# Altium PCB MULTIMETER.PcbDoc
Units mm, origin at the board's own origin, x right, y up, seen from the top; angles counter-clockwise.
Board outline 65 x 65 mm, 2 copper layers (Top Layer, Bottom Layer); 47 components, 56 nets, 211 pads, 24 vias.
Unrouted connection lines stored in the file: 26.
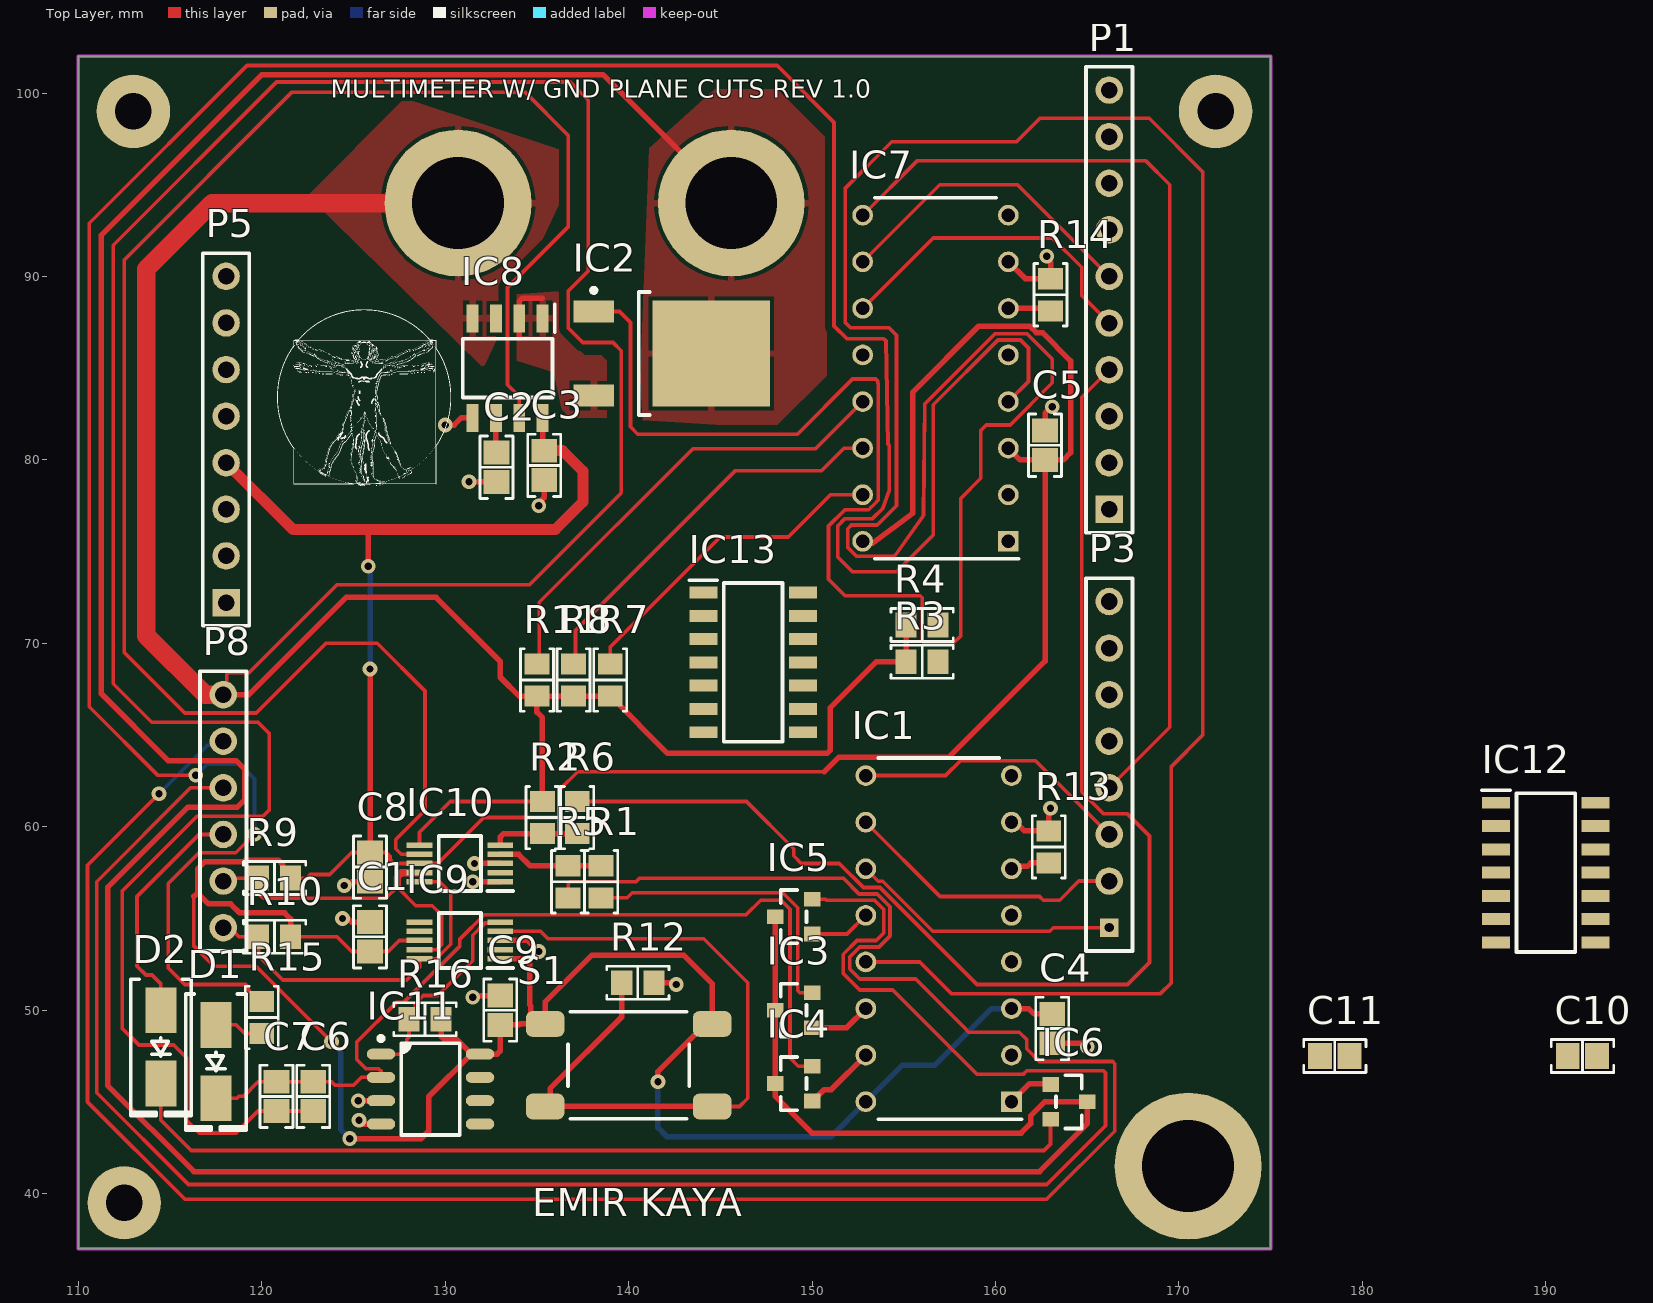
[diagram p0: Top Layer view]
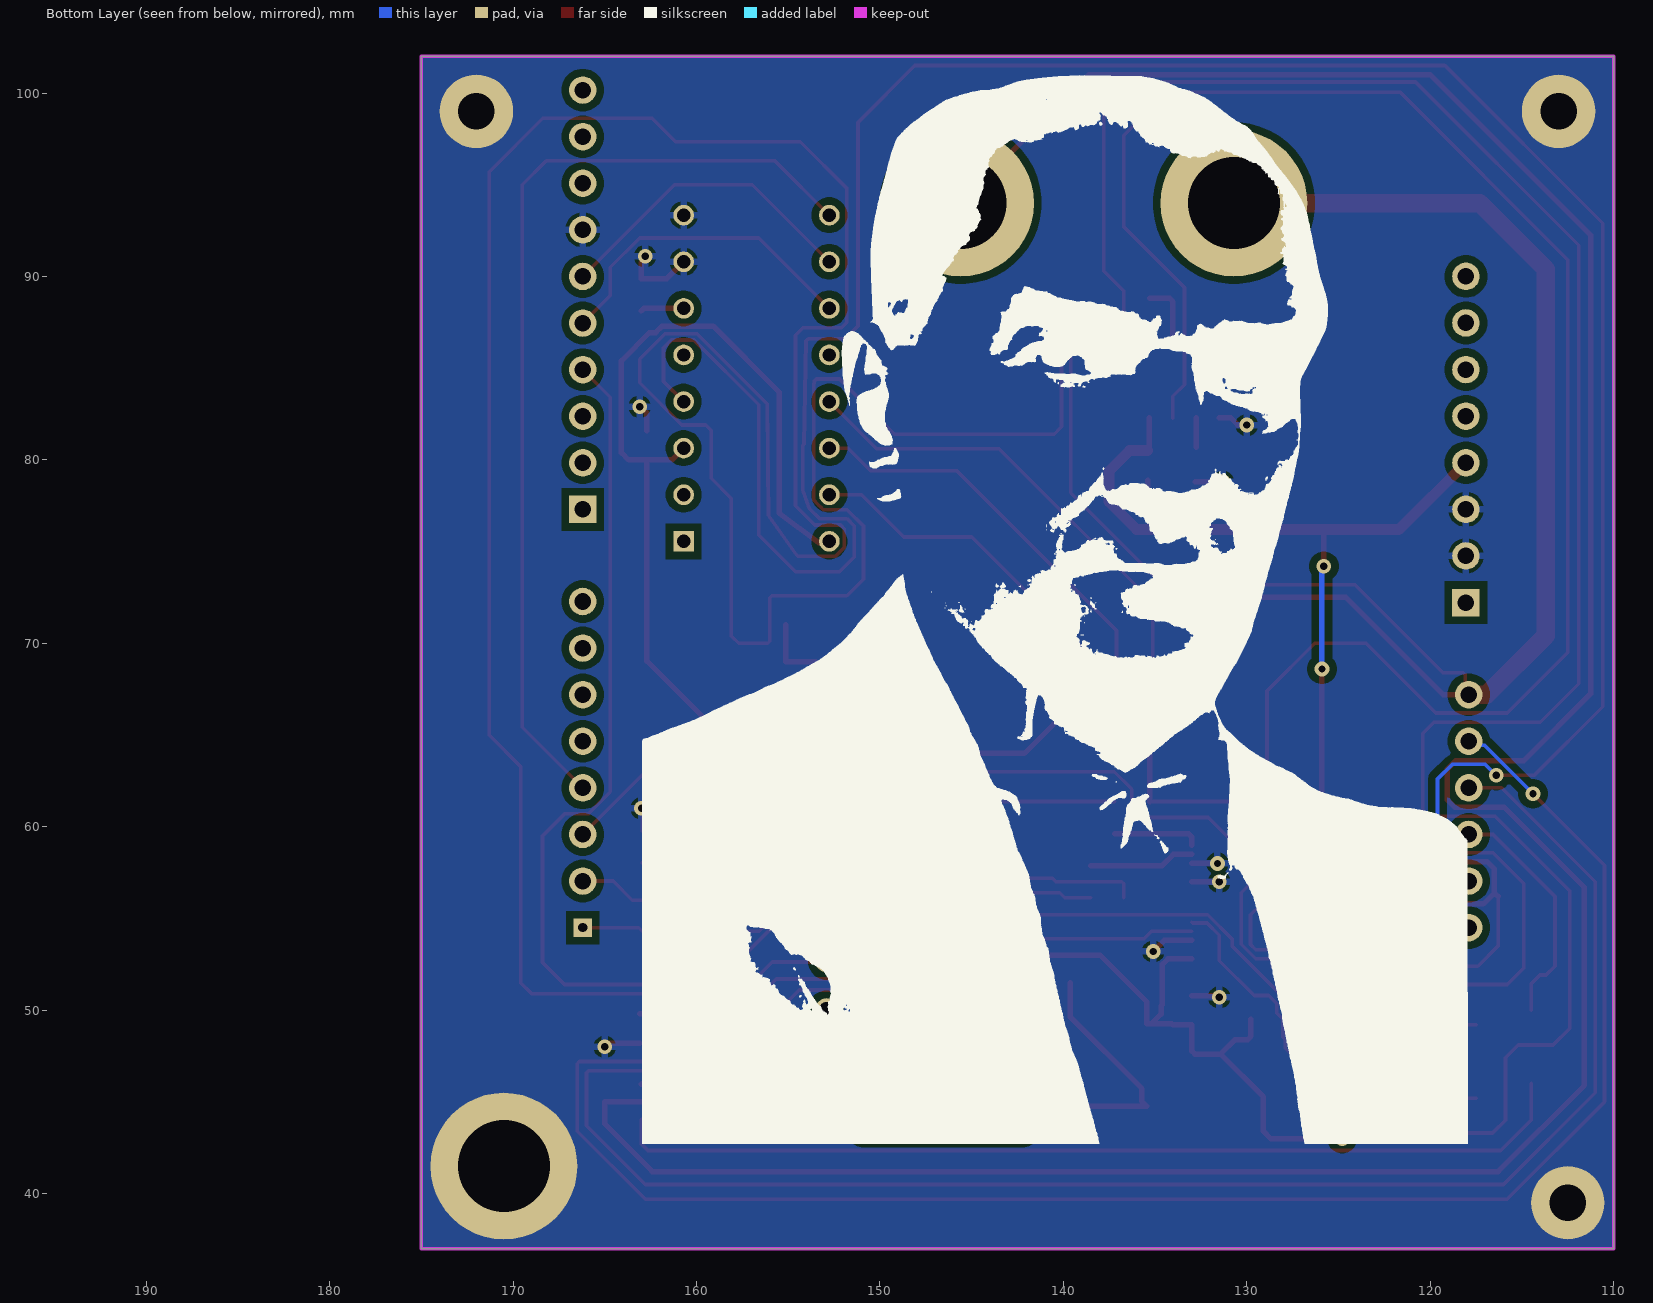
[diagram p1: Bottom Layer view, seen from below]
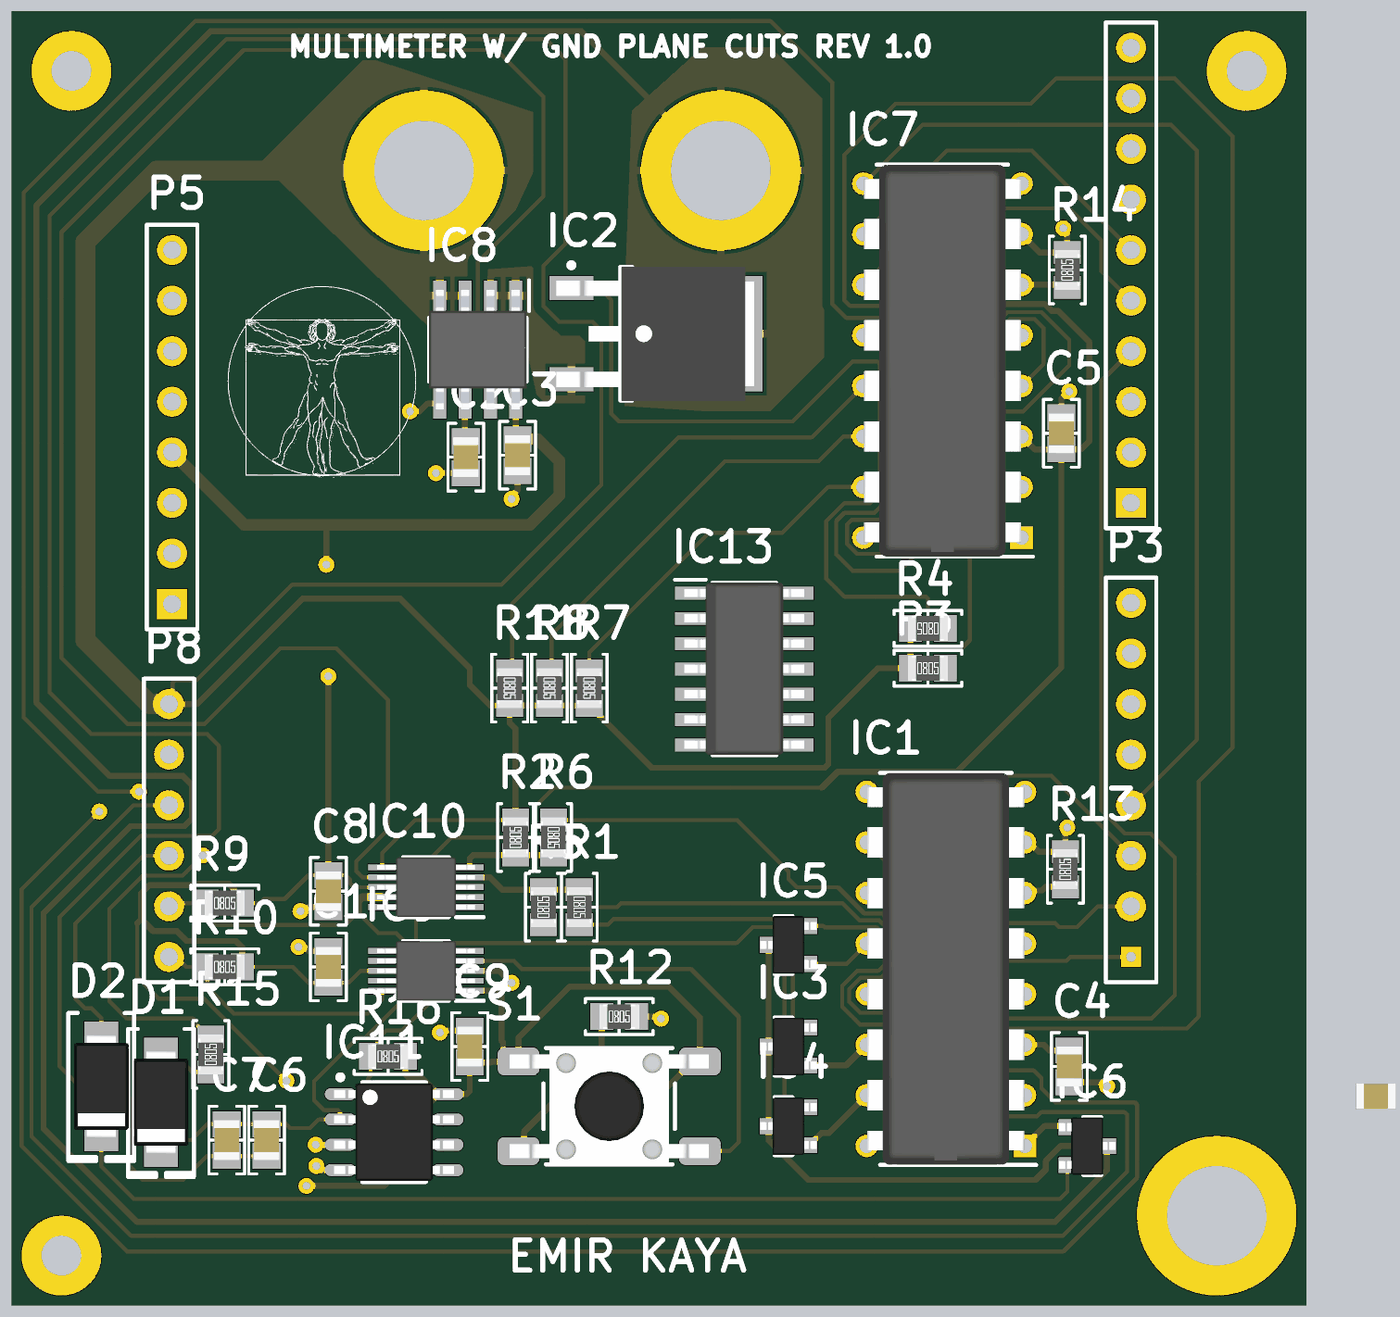
[diagram p2: 3D render of the assembled board from above, using the file's embedded part models]

## Layer stack, top to bottom
Top Solder: solder mask 0.0102, Solder Resist, Dk 3.5
Top Layer: signal copper 0.0356
Dielectric 1: dielectric 0.32, FR-4, Dk 4.8
Bottom Layer: signal copper 0.0356
Bottom Solder: solder mask 0.0102, Solder Resist, Dk 3.5

## Board outline
110,37 175,37 175,102 110,102

## Design rules (kind name [scope] priority, off if disabled: settings)
Clearance Clearance_1 [InNamedPolygon('GNDP')] p1: gap=0.4 ignorepadtopadclearanceinfootprint=FALSE
Clearance [All] p2: gap=0.15 ignorepadtopadclearanceinfootprint=FALSE
ComponentClearance [All] p1: gap=0.127 collisioncheckmode=3 verticalgap=0 showdistances=FALSE
DiffPairsRouting [All] p1: maxlimit=0.15 minlimit=0.15 mostfreqgap=0.15 toplayer_minwidth=0.2 toplayer_maxwidth=0.2 toplayer_prefwidth=0.2 bottomlayer_minwidth=0.2 bottomlayer_maxwidth=0.2 bottomlayer_prefwidth=0.2 maxuncoupledlength=12.7
MinimumSolderMaskSliver [All] p1: minsoldermaskwidth=0.127
NetAntennae [All] p1: netantennaetolerance=0.254
PlaneClearance [All] p1: clearance=0.762
PlaneConnect [All] p1: planeconnectstyle=Relief reliefexpansion=0.381 reliefentries=4 reliefconductorwidth=0.381 reliefairgap=0.254
PolygonConnect [All] p1: connectstyle=Relief reliefconductorwidth=0.381 reliefentries=4 polygonreliefangle="90 Angle" airgapwidth=0.2
RoutingVias [All] p1: holewidth=0.3 width=0.7 viastyle="Through Hole" minholewidth=0.2 minwidth=0.6 maxholewidth=0.4 maxwidth=0.8
SMDEntry [All] p1: side=TRUE corner=TRUE anyangle=FALSE
SMDToCorner [All] p1: distance=118110
SMDToPlane [All] p1: distance=118110
SilkToSilkClearance [All] p1 off: silktosilkclearance=0.254
SilkToSolderMaskClearance [IsPad] p1 off: minsilkscreentomaskgap=0.254 clearancetoexposedcopper=TRUE
SolderMaskExpansion [All] p1: expansion=0.05 istentingtop=FALSE
Width [All] p1: maxlimit=1 minlimit=0.2 preferedwidth=0.2 minimp=50.000000 maximp=50.000000 favimp=50.000000
22 further rules are at their usual default settings.

## Components (designator, comment, footprint, x,y, rotation, side; value= is the part's Value field where it differs from the comment)
C1 "0.1 µF" "CAP 0805_2012" 125.9,54 r270 top
C2 "1000 pF" "CAP 0805_2012" 132.8,79.6 r90 top
C3 "0.1 µF" "CAP 0805_2012" 135.4,79.7 r90 top
C4 "0.1 µF" "CAP 0805_2012" 163.1,49 r90 top
C5 "0.1 µF" "CAP 0805_2012" 162.7,80.8 r270 top
C6 "1µF" "CAP 0805_2012" 122.8,45.3 r90 top
C7 "1µF" "CAP 0805_2012" 120.8,45.3 r90 top
C8 "0.1 µF" "CAP 0805_2012" 125.9,57.8 r90 top
C9 "0.1 µF" "CAP 0805_2012" 133,50 r270 top
C10 "0.1 µF" "CAP 0805_2012" 192,47.5 r0 top
C11 "0.1 µF" "CAP 0805_2012" 178.5,47.5 r0 top
D1 "S1M-ONS" "DO214AC SMA" 117.5,47.2 r270 top
D2 "S1M-ONS" "DO214AC SMA" 114.5,48 r270 top
IC1 "CD74HC4051E" DIP794W53P254L1930H508Q16N 156.9,53.9 r180 top
IC2 "DMPH6050SK3-13" "INFINEON PG-TO 252 GDS FET" 141.3,85.8 r0 top
IC3 "DMN6075S-7" "DIODES SOT-23-3" 149,50 r180 top
IC4 "DMN6075S-7" "DIODES SOT-23-3" 149,46 r180 top
IC5 "DMN6075S-7" "DIODES SOT-23-3" 149,55.1 r180 top
IC6 "DMN6075S-7" "DIODES SOT-23-3" 164,45 r0 top
IC7 "CD74HC4051E" DIP794W53P254L1930H508Q16N 156.73,84.45 r180 top
IC8 "ACS712ELCTR-05B-T" SOIC127P600X175-8N 133.4,85 r270 top
IC9 "ADS1015IDGST" SOP50P490X110-10N 130.8,53.8 r180 top
IC10 "ADS1015IDGST" SOP50P490X110-10N 130.8,58 r180 top
IC11 "LM2904DRG3" "TI SOIC-8 D" 129.2,45.7 r0 top
IC12 "CD74HCT125M" SOIC127P600X175-14N 190,57.5 r0 top
IC13 "CD74HCT125M" SOIC127P600X175-14N 146.788,68.96 r0 top
P1 "Arduino 10 top" HDR1X10 166.2,77.3 r90 top
P3 "Ard top 8" HDR1X8#1 166.2,54.5 r90 top
P5 "Ard bot 8" HDR1X8#2 118.053,72.224 r90 top
P8 "ard bot 6" HDR1X6 117.9,67.2 r270 top
R1 "10 kOhms" "RES 0805_2012" 138.5,57 r270 top
R2 "10 kOhms" "RES 0805_2012" 135.3,60.5 r90 top
R3 "220 Ohms" "RES 0805_2012" 156,69 r0 top
R4 "10 kOhms" "RES 0805_2012" 156,71 r180 top
R5 "1 kOhms" "RES 0805_2012" 136.7,57 r90 top
R6 "1 kOhms" "RES 0805_2012" 137.2,60.5 r270 top
R7 "2 kOhms" "RES 0805_2012" 139,68 r270 top
R8 "20 kOhms" "RES 0805_2012" 137,68 r270 top
R9 "10 kOhms" "RES 0805_2012" 120.7,57.2 r0 top
R10 "10 kOhms" "RES 0805_2012" 120.7,54 r0 top
R11 "470 kOhms" "RES 0805_2012" 135,68 r270 top
R12 "10 kOhms" "RES 0805_2012" 140.5,51.5 r0 top
R13 "10 kOhms" "RES 0805_2012" 162.9,58.9 r90 top
R14 "10 kOhms" "RES 0805_2012" 163,89 r90 top
R15 "120 Ohms" "RES 0805_2012" 120,49.6 r90 top
R16 "330 Ohms" "RES 0805_2012" 128.9,49.5 r0 top
S1 "FSM6JSMAASTR" "TE FSM6JSMA" 140,47 r90 top

## Footprints (in the part's own frame and the unit in brackets; to place one, negate y for a bottom-side part, rotate by r counter-clockwise, add the part's x,y. Pads: shape width x height; smd on the part's side, far side on the other; paste and mask are expansions set on the pad)
"CAP 0805_2012" [mm] "Chip Capacitor, 2-Leads, Body 2.00x1.20mm, IPC Medium Density"
  rect 1.3x1.4 smd: 1(-0.8,0) 2(0.8,0)
  silkscreen extent -1.7,-0.9 1.7,0.9, body extent -1,-0.64 1,0.64, height 1.26
"DIODES SOT-23-3" [mm] "SOT23, 3-Leads, Body 2.90x2.40mm, Pitch 0.95mm, IPC Medium Density"
  rect 0.9x0.8 smd: 1(-1,0.95) 2(-1,-0.95) 3(1,0)
  silkscreen extent -0.7,-1.45 0.7,1.45, body extent -1.41,-1.45 1.41,1.45, height 1.5
DIP794W53P254L1930H508Q16N [mm]
  rect 1.13x1.13 hole 0.73: 1(-3.97,8.89)
  round 1.13 hole 0.73: 2(-3.97,6.35) 3(-3.97,3.81) 4(-3.97,1.27) 5(-3.97,-1.27) 6(-3.97,-3.81) 7(-3.97,-6.35) 8(-3.97,-8.89) 9(3.97,-8.89) 10(3.97,-6.35) 11(3.97,-3.81) 12(3.97,-1.27) 13(3.97,1.27) 14(3.97,3.81) 15(3.97,6.35) 16(3.97,8.89)
  silkscreen extent -4.53,-9.84 3.3,9.84, body extent -3.94,-9.84 3.94,9.84, height 5.27
"DO214AC SMA" [mm] "Molded Diode, 2-Leads, Body 4.30x2.60mm, IPC Medium Density"
  rect 2.5x1.7 smd: 1(-2,0) 2(2,0)
  silkscreen extent -3.68,-1.65 3.75,1.65, body extent -2.6,-1.37 2.6,1.37, height 2.4
HDR1X6 [mm] "Connector; Header; 6 Position"
  round 1.5 hole 0.9: 1(0,0) 2(2.54,0) 3(5.08,0) 4(7.62,0) 5(10.16,0) 6(12.7,0)
  silkscreen extent -1.27,-1.27 13.97,1.27
HDR1X8#1 [mm] "Connector; Header; 8 Position"
  rect 1x1 hole 0.5: 1(0,0)
  round 1.5 hole 0.9: 2(2.54,0) 3(5.08,0) 4(7.62,0) 5(10.16,0) 6(12.7,0) 7(15.24,0) 8(17.78,0)
  silkscreen extent -1.27,-1.27 19.05,1.27
HDR1X8#2 [mm] "Connector; Header; 8 Position"
  rect 1.5x1.5 hole 0.9: 1(0,0)
  round 1.5 hole 0.9: 2(2.54,0) 3(5.08,0) 4(7.62,0) 5(10.16,0) 6(12.7,0) 7(15.24,0) 8(17.78,0)
  silkscreen extent -1.27,-1.27 19.05,1.27
HDR1X10 [mm] "Connector; Header; 10 Position"
  rect 1.5x1.5 hole 0.9: 1(0,0)
  round 1.5 hole 0.9: 2(2.54,0) 3(5.08,0) 4(7.62,0) 5(10.16,0) 6(12.7,0) 7(15.24,0) 8(17.78,0) 9(20.32,0) 10(22.86,0)
  silkscreen extent -1.27,-1.27 24.13,1.27
"INFINEON PG-TO 252 GDS FET" [mm] "DPAK, Body 9.94x6.56mm"
  rect 6.4x5.8 smd: D(3.2,0)
  rect 2.2x1.2 smd: G(-3.2,2.29) S(-3.2,-2.29)
  silkscreen extent -3.32,-3.35 -0.15,3.56, body extent -3.96,-3.37 5.98,3.37, height 2.41
"RES 0805_2012" [mm] "Chip Resistor, 2-Leads, Body 2.00x1.25mm, IPC Medium Density"
  rect 1.15x1.35 smd: 1(-0.875,0) 2(0.875,0)
  silkscreen extent -1.7,-0.9 1.7,0.9, body extent -1,-0.62 1,0.63, height 0.6
SOIC127P600X175-8N [mm]
  rect 1.525x0.65 smd: 1(-2.712,1.905) 2(-2.712,0.635) 3(-2.712,-0.635) 4(-2.712,-1.905) 5(2.712,-1.905) 6(2.712,-0.635) 7(2.712,0.635) 8(2.712,1.905)
  silkscreen extent -3.47,-2.45 1.6,2.58, body extent -3,-2.45 3,2.45, height 1.75
SOIC127P600X175-14N [mm]
  rect 1.525x0.65 smd: 1(-2.712,3.81) 2(-2.712,2.54) 3(-2.712,1.27) 4(-2.712,0) 5(-2.712,-1.27) 6(-2.712,-2.54) 7(-2.712,-3.81) 8(2.712,-3.81) 9(2.712,-2.54) 10(2.712,-1.27) 11(2.712,0) 12(2.712,1.27) 13(2.712,2.54) 14(2.712,3.81)
  silkscreen extent -3.47,-4.33 1.6,4.48, body extent -3.01,-4.32 3.01,4.34, height 1.75
SOP50P490X110-10N [mm]
  rect 1.4x0.3 smd: 1(-2.2,1) 2(-2.2,0.5) 3(-2.2,0) 4(-2.2,-0.5) 5(-2.2,-1) 6(2.2,-1) 7(2.2,-0.5) 8(2.2,0) 9(2.2,0.5) 10(2.2,1)
  silkscreen extent -2.9,-1.5 1.15,1.5, body extent -2.46,-1.5 2.46,1.5, height 1.1
"TE FSM6JSMA" [mm]
  rrect50% 1.4x2.1 smd: 1(2.25,4.55) 2(2.25,-4.55) 3(-2.25,4.55) 4(-2.25,-4.55)
  silkscreen extent -2.92,-3.3 2.92,3.3, body extent -3,-5 3,5, height 7.11
"TI SOIC-8 D" [mm] "SOP, 8-Leads, Body 4.90x3.90mm, Pitch 1.27mm, IPC Medium Density"
  oval 1.55x0.6 smd: 1(-2.7,1.905) 2(-2.7,0.635) 3(-2.7,-0.635) 4(-2.7,-1.905) 5(2.7,-1.905) 6(2.7,-0.635) 7(2.7,0.635) 8(2.7,1.905)
  silkscreen extent -2.82,-2.5 1.6,2.88, body extent -3.01,-2.45 3.01,2.45, height 1.5

## Part data
C1 C3 C4 C5 C8 C9 C10 C11: library part CC0805MRX7R9BB104, "CAP CER 0.1UF 50V X7R 0805", Device Package="0805 (2012 Metric)", manufacturer=Yageo, Operating Temperature="-55°C ~ 125°C", Supplier Part Number 1=311-4351-1-ND, Temperature Coefficient=X7R, Tolerance=±20%, Voltage - Rated=50V, Applications="General Purpose", Capacitance="0.1 µF", componentlink1description=Datasheet, componentlink1url=https://www.yageo.com/upload/media/product/productsearch/datasheet/mlcc/UPY-GPHC_X7R_6.3V-to-50V_18.pdf, componentlink2description="DigiKey Link", componentlink2url=https://www.digikey.com/en/products/detail/yageo/CC0805MRX7R9BB104/5884281, lastupdated="09/02/2024 20:16:09", Lifecycle Status=Active, Minimum Order=1, Mounting Type="Surface Mount, MLCC", Package / Case="0805 (2012 Metric)", packaging=TapeAndReel, Part Number=CC0805MRX7R9BB104, Part Status=Active, partid=2475, price=0.01, series=CC, Size / Dimension="0.079\" L x 0.049\" W (2.00mm x 1.25mm)", Supplier 1=DigiKey, Thickness (Max)="0.037\" (0.95mm)"
C2: library part KGM21NR72D102KT, "CAP CER 1000PF 200V X7R 0805", Device Package="0805 (2012 Metric)", manufacturer="KYOCERA AVX", Operating Temperature="-55°C ~ 125°C", Supplier Part Number 1=478-KGM21NR72D102KTCT-ND, Temperature Coefficient=X7R, Tolerance=±10%, Voltage - Rated=200V, Applications="General Purpose", Capacitance="1000 pF", componentlink1description=Datasheet, componentlink1url=https://datasheets.kyocera-avx.com/X7RDielectric.pdf, componentlink2description="DigiKey Link", componentlink2url=https://www.digikey.com/en/products/detail/kyocera-avx/KGM21NR72D102KT/563449, lastupdated="09/02/2024 20:14:03", Lifecycle Status=Active, Minimum Order=1, Mounting Type="Surface Mount, MLCC", Package / Case="0805 (2012 Metric)", packaging=TapeAndReel, Part Number=KGM21NR72D102KT, Part Status=Active, partid=53503, price=0.02, series="KGM - X7R", Size / Dimension="0.079\" L x 0.049\" W (2.01mm x 1.25mm)", Supplier 1=DigiKey, Thickness (Max)="0.039\" (1.00mm)"
C6 C7: library part MM05ZC105KCZ2A, "CAP CER 1UF 10V X7R 0805", Device Package="0805 (2012 Metric)", manufacturer="AVX Corporation", Operating Temperature="-55°C ~ 125°C", Supplier Part Number 1=478-10611-1-ND, Temperature Coefficient=X7R, Tolerance=±10%, Voltage - Rated=10V, Applications="Medical, Non-Critical", Capacitance=1µF, componentlink1description=Datasheet, componentlink1url=http://datasheets.avx.com/AVX-MM.pdf, componentlink2description="DigiKey Link", componentlink2url=http://digikey.com/product-detail/en/avx-corporation/MM05ZC105KCZ2A/478-10611-1-ND/7344872, lastupdated="02/09/2020 01:04:42", Lifecycle Status=Active, Minimum Order=1, Mounting Type="Surface Mount, MLCC", Package / Case="0805 (2012 Metric)", packaging=TapeAndReel, Part Number=MM05ZC105KCZ2A, Part Status=Active, partid=2439, price=0.50, series=MM, Size / Dimension="0.079\" L x 0.049\" W (2.01mm x 1.25mm)", Supplier 1=DigiKey, Thickness (Max)="0.029\" (0.74mm)"
D1 D2: library part RS1A, "DIODE GEN PURP 50V 1A SMA", Capacitance @ Vr, F="10pF @ 4V, 1MHz", Current - Average Rectified (Io)=1A, Current - Reverse Leakage @ Vr="5µA @ 50V", manufacturer="ON Semiconductor", Operating Temperature - Junction="-55°C ~ 150°C", Package / Case="DO-214AC, SMA", Supplier Device Package="SMA (DO-214AC)", Supplier Part Number 1=RS1ACT-ND, Voltage - DC Reverse (Vr) (Max)=50V, Voltage - Forward (Vf) (Max) @ If="1.3V @ 1A", componentlink1description=Datasheet, componentlink1url=https://www.onsemi.com/pub/Collateral/RS1M-D.PDF, componentlink2description="DigiKey Link", componentlink2url=http://digikey.com/product-detail/en/on-semiconductor/RS1A/RS1ACT-ND/3504478, Diode Type=Standard, lastupdated="03/06/2024 19:54:38", Lifecycle Status=Active, Minimum Order=1, Mounting Type="Surface Mount", packaging=TapeAndReel, Part Number=RS1A, Part Status=Active, partid=585, price=0.08, Reverse Recovery Time (trr)=150ns, series=-, Speed="Fast Recovery =< 500ns, > 200mA (Io)", Supplier 1=DigiKey
IC1 IC7: "Integrated Circuit", Manufacturer_Name="Texas Instruments", Mouser Part Number=595-CD74HC4051E, Arrow Part Number=CD74HC4051E, Arrow Price/Stock=https://www.arrow.com/en/products/cd74hc4051e/texas-instruments?region=europe, Datasheet Link=http://www.ti.com/lit/ds/symlink/cd74hc4051.pdf, Height=5.08mm, Manufacturer_Part_Number=CD74HC4051E, Mouser Price/Stock=https://www.mouser.co.uk/ProductDetail/Texas-Instruments/CD74HC4051E?qs=LfG3tU9ud8CbsH7xUrF9XA%3D%3D
IC2: library part IPD80R2K8CEATMA1, "MOSFET N-CH 800V 1.9A TO252-3", Current - Continuous Drain (Id) @ 25°C="1.9A (Tc)", Drain to Source Voltage (Vdss)="800 V", Drive Voltage (Max Rds On,  Min Rds On)=10V, Input Capacitance (Ciss) (Max) @ Vds="290 pF @ 100 V", manufacturer="Infineon Technologies", Operating Temperature="-55°C ~ 150°C (TJ)", Package / Case="TO-252-3, DPak (2 Leads + Tab), SC-63", Power Dissipation (Max)="42W (Tc)", Supplier Device Package=PG-TO252-3, Supplier Part Number 1=IPD80R2K8CEATMA1CT-ND, componentlink1description=Datasheet, componentlink1url=https://www.infineon.com/dgdl/Infineon-IPX80R2K8CE-DS-v02_01-en.pdf?fileId=db3a304340155f3d01402f5e5f1f274f, componentlink2description="DigiKey Link", componentlink2url=https://www.digikey.com/en/products/detail/infineon-technologies/IPD80R2K8CEATMA1/5960265, FET Type=N-Channel, Gate Charge (Qg) (Max) @ Vgs="12 nC @ 10 V", lastupdated="03/06/2024 20:26:42", Lifecycle Status=Active, Minimum Order=1, Mounting Type="Surface Mount", packaging=TapeAndReel, Part Number=IPD80R2K8CEATMA1, Part Status=Active, price=0.39, Rds On (Max) @ Id, Vgs="2.8Ohm @ 1.1A, 10V", series="CoolMOS™ CE", Supplier 1=DigiKey, Technology="MOSFET (Metal Oxide)", Vgs (Max)=±20V, Vgs(th) (Max) @ Id="3.9V @ 120µA"
IC3 IC4 IC5 IC6: "MOSFET N-CH 60V 2A SOT23", Current - Continuous Drain (Id) @ 25°C="2A (Ta)", Drain to Source Voltage (Vdss)="60 V", Drive Voltage (Max Rds On,  Min Rds On)="4.5V, 10V", Input Capacitance (Ciss) (Max) @ Vds="606 pF @ 20 V", manufacturer="Diodes Incorporated", Operating Temperature="-55°C ~ 150°C (TJ)", Package / Case="TO-236-3, SC-59, SOT-23-3", Power Dissipation (Max)="800mW (Ta)", Supplier Device Package=SOT-23-3, Supplier Part Number 1=DMN6075S-7DICT-ND, componentlink1description=Datasheet, componentlink1url=https://www.diodes.com/assets/Datasheets/DMN6075S.pdf, componentlink2description="DigiKey Link", componentlink2url=https://www.digikey.com/en/products/detail/diodes-incorporated/DMN6075S-7/5149292, FET Type=N-Channel, Gate Charge (Qg) (Max) @ Vgs="12.3 nC @ 10 V", lastupdated="03/06/2024 20:15:18", Lifecycle Status=Active, Minimum Order=1, Mounting Type="Surface Mount", packaging=TapeAndReel, Part Number=DMN6075S-7, Part Status=Active, price=0.05, Rds On (Max) @ Id, Vgs="85mOhm @ 3.2A, 10V", series=-, Supplier 1=DigiKey, Technology="MOSFET (Metal Oxide)", Vgs (Max)=±20V, Vgs(th) (Max) @ Id="3V @ 250µA"
IC8: "Integrated Circuit", Manufacturer_Name="Allegro Microsystems", Mouser Part Number=250-712ELCTR05BT, Arrow Part Number=ACS712ELCTR-05B-T, Arrow Price/Stock=https://www.arrow.com/en/products/acs712elctr-05b-t/allegro-microsystems?utm_currency=USD&region=nac, Datasheet Link=https://www.allegromicro.com/~/media/Files/Datasheets/ACS712-Datasheet.ashx, Height=1.75mm, Manufacturer_Part_Number=ACS712ELCTR-05B-T, Mouser Price/Stock=https://www.mouser.co.uk/ProductDetail/Allegro-MicroSystems/ACS712ELCTR-05B-T?qs=pUKx8fyJudDs65Rkshv5ug%3D%3D
IC9 IC10: "Integrated Circuit", Manufacturer_Name="Texas Instruments", Mouser Part Number=595-ADS1015IDGST, Arrow Part Number=ADS1015IDGST, Arrow Price/Stock=https://www.arrow.com/en/products/ads1015idgst/texas-instruments?utm_currency=USD&region=nac, Datasheet Link=https://datasheet.datasheetarchive.com/originals/distributors/SFDatasheet-7/sf-000145393.pdf, Height=1.1mm, Manufacturer_Part_Number=ADS1015IDGST, Mouser Price/Stock=https://www.mouser.co.uk/ProductDetail/Texas-Instruments/ADS1015IDGST?qs=IK5e5L0zOXh9z6MvmmS6pA%3D%3D
IC11: "IC OPAMP GP 2 CIRCUIT 8SOIC", Current - Input Bias=20nA, Current - Output / Channel=30mA, Current - Supply=1mA, Device Package="8-SOIC (0.154\", 3.90mm Width)", manufacturer="Texas Instruments", Operating Temperature="-40°C ~ 125°C", Supplier Device Package=8-SOIC, Supplier Part Number 1=296-27464-1-ND, Voltage - Input Offset=3mV, Voltage - Supply, Single/Dual (±)="3V ~ 26V, ±1.5V ~ 13V", Amplifier Type="General Purpose", componentlink1description=Datasheet, componentlink1url=http://www.ti.com/general/docs/suppproductinfo.tsp?distId=10&gotoUrl=http%3A%2F%2Fwww.ti.com%2Flit%2Fgpn%2Flm258a, componentlink2description="DigiKey Link", componentlink2url=http://digikey.com/product-detail/en/texas-instruments/LM2904DRG3/296-27464-1-ND/2297366, Gain Bandwidth Product=700kHz, lastupdated="09/01/2020 02:06:06", Lifecycle Status=Active, Minimum Order=1, Mounting Type="Surface Mount", Number of Circuits=2, Package / Case="8-SOIC (0.154\", 3.90mm Width)", packaging=ReReel, Part Number=LM2904DRG3, Part Status=Active, partid=14, price=0.00, series=-, Slew Rate=0.3V/µs, Supplier 1=DigiKey
IC12 IC13: "Integrated Circuit", Manufacturer_Name="Texas Instruments", Mouser Part Number=595-CD74HCT125M, Arrow Part Number=CD74HCT125M, Arrow Price/Stock=https://www.arrow.com/en/products/cd74hct125m/texas-instruments, Datasheet Link=http://www.ti.com/lit/ds/symlink/cd74hct125.pdf, Height=1.75mm, Manufacturer_Part_Number=CD74HCT125M, Mouser Price/Stock=https://www.mouser.co.uk/ProductDetail/Texas-Instruments/CD74HCT125M?qs=D5pVkbrsqqIXfx0uwi2SiA%3D%3D
P1: library part "Header 10", "Header, 10-Pin", LatestRevisionDate=17-Jul-2002, LatestRevisionNote="Re-released for DXP Platform.", Publisher="Altium Limited"
P3 P5: library part "Header 8", "Header, 8-Pin", LatestRevisionDate=17-Jul-2002, LatestRevisionNote="Re-released for DXP Platform.", Publisher="Altium Limited"
P8: library part "Header 6", "Header, 6-Pin", LatestRevisionDate=17-Jul-2002, LatestRevisionNote="Re-released for DXP Platform.", Publisher="Altium Limited"
R1 R2 R4 R9 R10 R12 R13 R14: library part RNCS0805BKE10K0, "RES 10K OHM 0.1% 1/10W 0805", Device Package="0805 (2012 Metric)", manufacturer="Stackpole Electronics Inc", Operating Temperature="-55°C ~ 155°C", Power (Watts)="0.1W, 1/10W", Ratings=AEC-Q200, Supplier Device Package=0805, Supplier Part Number 1=RNCS0805BKE10K0CT-ND, Temperature Coefficient=±25ppm/°C, Tolerance=±0.1%, componentlink1description=Datasheet, componentlink1url=https://www.seielect.com/catalog/sei-rncs_rnch.pdf, componentlink2description="DigiKey Link", componentlink2url=https://www.digikey.com/en/products/detail/stackpole-electronics-inc/RNCS0805BKE10K0/1800067, Composition="Thin Film", Features="Anti-Corrosive, Automotive AEC-Q200, Moisture Resistant", Height - Seated (Max)="0.026\" (0.65mm)", lastupdated="08/02/2024 21:02:39", Lifecycle Status=Active, Minimum Order=1, Number of Terminations=2, Package / Case="0805 (2012 Metric)", packaging=TapeAndReel, Part Number=RNCS0805BKE10K0, Part Status=Active, partid=27713, price=0.07, Resistance="10 kOhms", series=RNCS, Size / Dimension="0.079\" L x 0.049\" W (2.00mm x 1.25mm)", Supplier 1=DigiKey
R3: library part ESR10EZPF2200, "RES SMD 220 OHM 1% 0.4W 0805", Device Package="0805 (2012 Metric)", manufacturer="Rohm Semiconductor", Operating Temperature="-55°C ~ 155°C", Power (Watts)="0.4W, 2/5W", Ratings=AEC-Q200, Supplier Device Package=0805, Supplier Part Number 1=RHM220AECT-ND, Temperature Coefficient=±100ppm/°C, Tolerance=±1%, componentlink1description=Datasheet, componentlink1url=https://www.rohm.com/datasheet/ESR01MZPF/esr-e, componentlink2description="DigiKey Link", componentlink2url=https://www.digikey.com/en/products/detail/rohm-semiconductor/ESR10EZPF2200/1983511, Composition="Thick Film", Features="Automotive AEC-Q200, Pulse Withstanding", Height - Seated (Max)="0.026\" (0.65mm)", lastupdated="08/02/2024 21:02:37", Lifecycle Status=Active, Minimum Order=1, Number of Terminations=2, Package / Case="0805 (2012 Metric)", packaging=TapeAndReel, Part Number=ESR10EZPF2200, Part Status=Active, partid=28037, price=0.02, Resistance="220 Ohms", series=ESR, Size / Dimension="0.079\" L x 0.049\" W (2.00mm x 1.25mm)", Supplier 1=DigiKey
R5 R6 R7 R8 R11: library part RNCS0805BKE10K0, "RES 10K OHM 0.1% 1/10W 0805", Device Package="0805 (2012 Metric)", manufacturer="Stackpole Electronics Inc", Operating Temperature="-55°C ~ 155°C", Power (Watts)="0.1W, 1/10W", Ratings=AEC-Q200, Resistance="10 kOhms", Supplier Device Package=0805, Supplier Part Number 1=RNCS0805BKE10K0CT-ND, Temperature Coefficient=±25ppm/°C, Tolerance=±0.1%, componentlink1description=Datasheet, componentlink1url=https://www.seielect.com/catalog/sei-rncs_rnch.pdf, componentlink2description="DigiKey Link", componentlink2url=https://www.digikey.com/en/products/detail/stackpole-electronics-inc/RNCS0805BKE10K0/1800067, Composition="Thin Film", Features="Anti-Corrosive, Automotive AEC-Q200, Moisture Resistant", Height - Seated (Max)="0.026\" (0.65mm)", lastupdated="08/02/2024 21:02:39", Lifecycle Status=Active, Minimum Order=1, Number of Terminations=2, Package / Case="0805 (2012 Metric)", packaging=TapeAndReel, Part Number=RNCS0805BKE10K0, Part Status=Active, partid=27713, price=0.07, series=RNCS, Size / Dimension="0.079\" L x 0.049\" W (2.00mm x 1.25mm)", Supplier 1=DigiKey
R15: library part ERJ-6ENF1200V, "RES SMD 120 OHM 1% 1/8W 0805", Device Package="0805 (2012 Metric)", manufacturer="Panasonic Electronic Components", Operating Temperature="-55°C ~ 155°C", Power (Watts)="0.125W, 1/8W", Ratings=AEC-Q200, Supplier Device Package=0805, Supplier Part Number 1=P120CCT-ND, Temperature Coefficient=±100ppm/°C, Tolerance=±1%, componentlink1description=Datasheet, componentlink1url=https://industrial.panasonic.com/cdbs/www-data/pdf/RDA0000/AOA0000C304.pdf, componentlink2description="DigiKey Link", componentlink2url=https://www.digikey.com/en/products/detail/panasonic-electronic-components/ERJ-6ENF1200V/1746457, Composition="Thick Film", Features="Automotive AEC-Q200", Height - Seated (Max)="0.028\" (0.70mm)", lastupdated="08/02/2024 21:02:28", Lifecycle Status=Active, Minimum Order=1, Number of Terminations=2, Package / Case="0805 (2012 Metric)", packaging=TapeAndReel, Part Number=ERJ-6ENF1200V, Part Status=Active, partid=30224, price=0.01, Resistance="120 Ohms", series=ERJ-6EN, Size / Dimension="0.079\" L x 0.049\" W (2.00mm x 1.25mm)", Supplier 1=DigiKey
R16: library part CRCW0805330RFKEAHP, "RES SMD 330 OHM 1% 1/2W 0805", Device Package="0805 (2012 Metric)", manufacturer="Vishay Dale", Operating Temperature="-55°C ~ 155°C", Power (Watts)="0.5W, 1/2W", Ratings=AEC-Q200, Supplier Device Package=0805, Supplier Part Number 1=541-330TCT-ND, Temperature Coefficient=±100ppm/°C, Tolerance=±1%, componentlink1description=Datasheet, componentlink1url=http://www.vishay.com/docs/20043/crcwhpe3.pdf, componentlink2description="DigiKey Link", componentlink2url=https://www.digikey.com/en/products/detail/vishay-dale/CRCW0805330RFKEAHP/2226912, Composition="Thick Film", Features="Automotive AEC-Q200, Pulse Withstanding", Height - Seated (Max)="0.020\" (0.50mm)", lastupdated="08/02/2024 21:02:28", Lifecycle Status=Active, Minimum Order=1, Number of Terminations=2, Package / Case="0805 (2012 Metric)", packaging=TapeAndReel, Part Number=CRCW0805330RFKEAHP, Part Status=Active, partid=30364, price=0.02, Resistance="330 Ohms", series=CRCW-HP, Size / Dimension="0.079\" L x 0.049\" W (2.00mm x 1.25mm)", Supplier 1=DigiKey
S1: "SWITCH TACTILE SPST-NO 0.05A 24V", Contact Rating @ Voltage="0.05A @ 24VDC", manufacturer="TE Connectivity ALCOSWITCH Switches", Operating Force=260gf, Operating Temperature="-40°C ~ 105°C", Supplier Part Number 1=450-2138-1-ND, Actuator Height off PCB, Vertical=7.00mm, Actuator Orientation="Top Actuated", Actuator Type=Standard, Circuit=SPST-NO, componentlink1description=Datasheet, componentlink1url=https://www.te.com/commerce/DocumentDelivery/DDEController?Action=srchrtrv&DocNm=1308111-1_SWITCHES_CORE_PROGRAM_CATALOG&DocType=CS&DocLang=English, componentlink2description="DigiKey Link", componentlink2url=https://www.digikey.com/en/products/detail/te-connectivity-alcoswitch-switches/FSM6JSMAASTR/5343804, Illumination=Non-Illuminated, lastupdated="03/06/2024 20:19:31", Lifecycle Status=Active, Minimum Order=1, Mounting Type="Surface Mount", Outline="6.00mm x 6.00mm", packaging=TapeAndReel, Part Number=FSM6JSMAASTR, Part Status=Active, price=0.30, series=FSMJSMA, Supplier 1=DigiKey, Switch Function=Off-Mom, Termination Style="Gull Wing"

## Free pads (board coordinates)
  round 8 hole 5: 6(130.7,94) 6(145.6,94)
  round 8 hole 5 unplated: 7(170.5,41.5)
  round 4 hole 2: 8(172,99) 9(113,99) 11(112.5,39.5)

## Via types
v1: diameter 0.8, hole 0.4, Top Layer to Bottom Layer, 24 vias

## Nets (pads, with @x,y where several pads share a name; then routed paths per layer and width w, separated by ;. In a path a pad name is that pad's centre, name@x,y a point inside that pad or via, vN(x,y) a via of type N, cw(c..) or ccw(c..) an arc to the next point about the centre after c; other vN are vias at no path point)
+5: C1.2 C3.2 C4.2 C5.2 C8.2 C9.2 C10.2 C11.2 IC1.3 IC1.16 IC7.3 IC7.16 IC8.8 IC9.1 IC9.8 IC10.8 IC11.8 IC12.14 IC13.14 P5.4 R9.2 R10.2 R16.2 S1.1 S1.2 | length 242.4
  Top Layer w0.2: 116.3,56.2 116.3,53.5 117.4,52.4 119.679,52.4 v1(123.8,48.279) ; R10.2 124.1,54 124.9,53.2 C1.2 126.9,53.2 127.5,53.8 IC9.8 ; R9.2 122.45,57.2 122.65,57.4 123.7,57.4 124.9,58.6 C8.2 126.783,58.6 126.991,58.391 126.991,58.209 127.2,58 IC10.8 129.6,58 132.1,60.5 136.158,60.5 136.275,60.617 136.275,62.054 137.221,63 150.676,63
  Top Layer w0.3: 116.3,56.2 116.5,56.4 ; R10.2 121.575,54.975 121.25,55.3 118.8,55.3 118.3,55.8 117.1,55.8 116.5,56.4 ; R9.2 121.15,57.625 121.15,57.924 120.899,58.175 119.126,58.175 119.051,58.1 116.9,58.1 116.5,57.7 116.5,56.4 ; v1(124.8,43) 128.7,43 129.1,43.4 129.1,45.28 IC11.8@131.425,47.605 ; v1(125.8,74.2) 125.8,76.2 ; C8.2 v1(125.9,68.6) ; R16.2 129.775,48.576 129.951,48.4 130.63,48.4 IC11.8@131.425,47.605 ; IC9.1 134.3,52.8 134.6,52.5 134.6,50.3 134.673,50.227 134.673,49.785 S1.1@135.208,49.25 ; IC8.8 135.305,80.595 C3.2 ; v1(141.6,46.1) 141.6,46.65 144.2,49.25 S1.2 144.55,51.45 143,53 138,53 135.45,50.45 S1.1 S1.1@135.208,49.25 ; 150.676,63 151.476,63.8 157.473,63.8 162.7,69.027 C5.2 ; IC7.16 153.203,75.495 153.225,75.492 153.346,75.492 155.5,77.096 155.5,83.7 159.085,87.285 161.876,87.285 162.226,86.935 162.565,86.935 164.1,85.4 164.1,80.4 163.7,80 C5.2 ; IC7.3 161.34,80 C5.2 ; IC1.3 161.81,50.09 162.1,49.8 C4.2 ; IC11.8@131.425,47.605 IC11.8 132.824,47.605 133,47.781 C9.2 134.05,49.2 134.1,49.25 S1.1@135.208,49.25
  Top Layer w0.6: P5.4 121.697,76.2 125.8,76.2 136,76.2 137.5,77.7 137.5,79.4 136.4,80.5 C3.2
  Bottom Layer w0.3: v1(123.8,48.279) 124.3,47.779 124.3,43.5 v1(124.8,43) ; v1(125.8,74.2) 125.9,74.1 v1(125.9,68.6) ; v1(141.6,46.1) 141.6,43.6 142.1,43.1 151.02,43.1 IC1.16 154.92,47 156.7,47 159.79,50.09 IC1.3
A0: C6.1 C7.1 IC8.3 IC8.4 IC10.6 P8.1 pad.6@130.7,94 R2.2 R3.1 R4.2 R7.2 R8.2 R11.2 | length 258
  Top Layer w0.2: P8.1 118.083,67.383 118.083,68.283 118.2,68.4 119.3,68.4 124.1,73.2 134.6,73.2 139.6,78.2 139.6,85.944 139.144,86.4 137.5,86.4 136.7,87.2 136.7,89.2 137.8,90.3 137.8,99.6 136.8,100.6 120.8,100.6 111.9,91.7 111.9,67.8 114,65.7 119.8,65.7 120.4,65.1 120.4,60.9 120.08,60.58 116.48,60.58 112.4,56.5 112.4,49 113.3,48.1 115.2,48.1 115.9,47.4 115.9,44 116.6,43.3 118.6,43.3 119.8,44.5 C7.1 C6.1 ; IC10.6 128.55,59 128.6,59.05 128.6,59.7 130.275,61.375 R2.2
  Top Layer w0.3: P8.1 119.3,67.2 124.6,72.5 129.5,72.5 133,69 133,68.15 134.025,67.125 R11.2 ; R2.2 135.3,65.95 135,66.25 R11.2 ; R4.2 R3.1 153.5,69 151,66.5 151,64.176 150.824,64 142.125,64 R7.2 R8.2 R11.2
  Top Layer w1: P8.1 116.916,67.2 113.7,70.416 113.7,90.4 117.3,94 pad.6@130.7,94
A1: P8.2 R5.1 | length 127.7
  Top Layer w0.2: v1(114.4,61.8) 110.5,57.9 110.5,45 115.8,39.7 162.8,39.7 166.5,43.4 166.5,47.083 166.383,47.2 162.396,47.2 161.7,47.896 161.7,48.4 161.3,48.8 158.55,48.8 155.65,51.7 152.6,51.7 152.05,52.25 152.05,52.903 152.592,53.445 153.645,53.445 154.25,54.05 154.25,55.645 153.56,56.335 152.565,56.335 151.7,57.2 140.6,57.2 140.4,57 136.817,57 136.7,56.883 R5.1 ; P8.2@117.678,64.438 P8.2
  Bottom Layer w0.2: v1(114.4,61.8) 117.038,64.438 117.678,64.438 P8.2
A2: IC5.2 P8.3 | length 107.7
  Top Layer w0.2: P8.3 116.12,62.12 111,57 111,45.5 116,40.5 162.8,40.5 166,43.7 166,46.583 165.883,46.7 161.7,46.7 161.5,46.5 159,46.5 154.4,51.1 152.6,51.1 151.7,52 151.7,53.048 152.452,53.8 153.505,53.8 153.9,54.195 153.9,55.5 153.415,55.985 150.815,55.985 150.75,56.05 IC5.2
A3: D2.1 P8.4 | length 13.4
  Top Layer w0.2: D2.1 114.5,51.433 114.016,51.916 113.684,51.916 113.2,52.4 113.2,56.2 116.58,59.58 P8.4 P8.4@118.247,59.58
ADC0: IC10.4 R1.1 R5.2 | length 5.8
  Top Layer w0.3: IC10.4 134,58.5 134.625,57.875 135.5,57.875 R5.2 R1.1
ADC1: IC10.5 R2.1 R6.2 | length 4.7
  Top Layer w0.3: IC10.5 133,59.449 133.176,59.625 R2.1 R6.2
ADC3: IC8.7 IC10.7 | length 98.5
  Top Layer w0.2: IC10.7 127.6,58.5 127.3,58.8 127.3,59.3 128.9,60.9 128.9,67.4 126.3,70 123.5,70 119.7,66.2 115.8,66.2 112.5,69.5 112.5,90.9 121.65,100.05 134.35,100.05 136.7,97.7 136.7,92.7 133.4,89.4 133.4,84.1 134.035,83.465 IC8.7
ADC4: IC9.4 R12.1 S1.3 S1.4 | length 40.7
  Top Layer w0.2: IC9.4 135.2,54.3 135.6,53.9 144.1,53.9 146.5,51.5 146.5,45.2 146.05,44.75 S1.4
  Top Layer w0.3: R12.1 139.625,49.625 135.724,45.724 135.724,45.024 S1.3 S1.4
ADC5: IC9.5 IC11.1 R16.1 | length 11.4
  Top Layer w0.2: IC11.1 127.575,47.605 127.9,47.93 127.9,48.4 128.025,48.525 R16.1 128.358,49.833 128.358,50.358 128.8,50.8 129.6,50.8 131.5,52.7 131.5,54.084 132.166,54.75 132.95,54.75 IC9.5
CAP1_GND: IC13.11 R3.2
CAP2_GND: IC12.3 R4.1
CURR+: IC2.S IC8.1 IC8.2 | length 3.3
  Top Layer w0.3: 134.035,86.665 IC8.2 134.035,88.635 134.2,88.8 135.3,88.8
D0: IC1.11 P3.1 | length 14.8
  Top Layer w0.2: IC1.11 153.605,57.035 153.85,57.035 156.58,54.305 162.958,54.305 163.153,54.5 P3.1
D1: IC1.10 P3.2 | length 15.5
  Top Layer w0.2: IC1.10 156.98,56.2 162.4,56.2 162.6,56 163.5,56 164.54,57.04 P3.2
D2: IC1.9 P3.3 | length 15.3
  Top Layer w0.2: IC1.9 157.271,62.79 158.086,63.605 162.175,63.605 P3.3
D3: IC7.9 P3.4 | length 52.8
  Top Layer w0.2: IC7.9 155.72,96.3 168.2,96.3 169.5,95 169.5,65.42 P3.4
D4: P3.5
D5: P3.6
D6: P3.7
D7: P3.8
D8: P1.1
D9: P1.2
D10: P1.3
D11: P1.4 R6.1 | length 71.3
  Top Layer w0.2: R6.1 146.425,61.375 149,58.8 149,58.417 149.417,58 151.487,58 152.802,56.685 153.705,56.685 158.99,51.4 167.2,51.4 168.4,52.6 168.4,59.5 167.2,60.7 165.9,60.7 164.7,61.9 164.7,83.42 P1.4
D12: IC7.11 P1.5 | length 18.2
  Top Layer w0.2: IC7.11 156.6,92.1 163.1,92.1 164.7,90.5 164.7,88.96 P1.5 P1.5@165.875,87.46
D13: IC7.10 P1.6 | length 17.3
  Top Layer w0.2: IC7.10 156.96,95 161.2,95 P1.6
GND: C1.1 C2.1 C3.1 C4.1 C5.1 C8.1 C9.1 C10.1 C11.1 IC1.7 IC1.8 IC7.7 IC7.8 IC8.5 IC9.3 IC10.1 IC10.3 IC11.3 IC11.4 IC12.7 IC13.7 P1.7 P5.2 P5.3 pad.7 pad.8 pad.9 pad.11 R12.2 R13.2 R14.2 | length 29.3
  Top Layer w0.3: v1(124.4,55) 124.7,55 124.9,54.8 C1.1 ; v1(124.5,56.8) 124.7,56.8 124.9,57 C8.1 ; v1(125.265,45.065) IC11.3 ; v1(125.3,44) 125.505,43.795 IC11.4 ; v1(130,81.9) 130.482,81.9 130.87,82.288 IC8.5 ; v1(131.3,78.8) C2.1 ; v1(131.5,50.7) 131.6,50.8 C9.1 ; v1(131.5,57) IC10.1 ; v1(131.6,58) IC10.3 ; IC9.3 134.5,53.8 v1(135.1,53.2) ; v1(135.1,77.5) 135.1,77.65 135.4,77.95 C3.1 ; R12.2 142.25,51.5 142.35,51.4 v1(142.6,51.4) ; IC7.7 161.625,89.875 R14.2 163,90.75 162.8,90.95 v1(162.8,91.1) ; IC1.7 161.095,60.25 161.57,59.775 R13.2 162.9,60.9 v1(163,61) ; C5.1 162.7,82.55 163.05,82.9 v1(163.1,82.9) ; C4.1 164.8,48.2 v1(165,48)
IND+: C6.2 C7.2 D1.2 IC4.2 IC11.2 | length 49.2
  Top Layer w0.2: D1.2 118.65,45.2 118.75,45.3 119,45.3 119.8,46.1 C7.2 C6.2 123.8,46.1 124,45.9 124.99,45.9 125.425,46.335 IC11.2 126.5,46.683 126.383,46.8 125.7,46.8 125.183,47.317 125.183,48.261 127.346,50.425 127.725,50.425 130.8,53.5 130.8,53.879 132.121,55.2 146.4,55.2 147.2,56 148.304,56 148.7,55.604 148.7,55.6 148.8,55.5 148.8,47.4 149.25,46.95 IC4.2
IND_GND: IC12.6 R15.2
MUX1: IC1.13 IC2.G | length 193.1
  Top Layer w0.2: IC2.G 139.5,88.09 140.1,87.49 140.1,81.8 140.5,81.4 149.2,81.4 152.209,84.409 153.465,84.409 153.57,84.303 153.6,84.1 153.6,77.8 153.415,77.615 cw(c152.76,78.1) 153.245,77.445 153.085,77.285 151.79,77.285 150.9,76.395 150.9,73.5 151.8,72.6 155.883,72.6 156,72.483 156,70.117 156.117,70 157.7,70 158.1,70.4 158.1,77.9 159.2,79 159.2,81.6 159.5,81.9 160.8,81.9 163.1,84.2 163.1,85.495 161.71,86.885 159.99,86.885 156.135,83.03 156.078,76.981 156.042,76.93 154.54,74.815 154.528,74.804 154.469,74.745 152.422,74.745 152.004,75.164 151.945,75.222 151.945,76.245 152.15,76.45 153.55,76.45 154.6,77.5 154.6,86.8 154.2,87.2 152.1,87.2 151.8,87.5 151.8,94.8 154.35,97.35 161.15,97.35 162.42,98.62 168.38,98.62 171.3,95.7 171.3,65 169.59,63.29 169.59,51.5 168.995,50.905 159.406,50.905 159.401,50.9 157.6,50.9 155.87,52.63 IC1.13
MUX1_2: IC7.13 IC13.1 IC13.2 | length 25.6
  Top Layer w0.2: 135,68.875 135.133,69.008 135.133,72.233 143.5,80.6 150.18,80.6 IC7.13
MUX2: IC1.14 IC3.1 | length 3.4
  Top Layer w0.3: IC3.1 151.89,49.05 IC1.14
MUX2_2: IC7.14 IC13.4 IC13.5 | length 21.6
  Top Layer w0.2: 137,68.875 137.1,68.975 137.1,70.7 145.8,79.4 150.5,79.4 151.74,80.64 IC7.14
MUX3: IC1.15 IC4.1 | length 4
  Top Layer w0.3: IC4.1 150.05,45.05 150.662,45.662 151.042,45.662 IC1.15
MUX3_2: IC7.15 IC13.9 IC13.10 | length 18.1
  Top Layer w0.2: 139,68.875 139,69.8 145,75.8 148.7,75.8 151,78.1 IC7.15
MUX4: IC1.12 IC5.1 | length 3.4
  Top Layer w0.2: IC5.1 151.91,54.15 IC1.12
MUX5: IC1.1 IC6.1 | length 2.6
  Top Layer w0.3: IC1.1 161.86,46 162.95,46 IC6.1
MUX6_2: IC7.5 IC13.12 IC13.13
MUX7_2: IC7.2 IC12.1 IC12.2
MUX8_2: IC7.4 IC12.4 IC12.5 | length 153.7
  Top Layer w0.2: v1(116.4,62.8) 114.339,62.8 110.6,66.539 110.6,92.9 119.2,101.5 148.1,101.5 151.2,98.4 151.2,87.3 151.9,86.6 153.913,86.6 153.972,86.541 154.029,86.485 154.144,80.861 154.2,80.804 154.2,78.349 153.849,77.349 153.3,76.8 151.8,76.8 151.4,76.4 151.4,74.7 152.2,73.9 154.6,73.9 156.6,75.9 156.6,83 160.135,86.535 161.365,86.535 161.8,86.1 161.8,84.28 IC7.4 ; v1(119.6,59.6) 118.58,58.58 116.58,58.58 114.9,56.9 114.9,52.3 115.8,51.4 119.109,51.4 119.251,51.259 119.251,51.124 119.45,50.925 119.875,50.925
  Bottom Layer w0.2: v1(116.4,62.8) 117,63.4 118.8,63.4 119.6,62.6 v1(119.6,59.6)
NetC2_2: C2.2 IC8.6 | length 1.6
  Top Layer w0.3: C2.2@132.765,80.7 IC8.6
NetD1_1: D1.1 R15.1 | length 2.7
  Top Layer w0.2: D1.1 118.6,49.2 119.075,48.725 R15.1
NetIC1_6: IC1.6 R13.1 | length 2.2
  Top Layer w0.3: IC1.6 160.995,57.835 161.735,57.835 161.925,58.025 R13.1
NetIC7_6: IC7.6 R14.1 | length 2.4
  Top Layer w0.3: IC7.6 162.865,88.26 R14.1
PROBE+: IC2.D IC3.3 IC4.3 IC5.3 IC6.3 pad.6@145.6,94 | length 183.5
  Top Layer w0.3: pad.6@145.6,94 138.6,101 120,101 111.25,92.25 111.25,67.25 114.9,63.6 118.601,63.6 119.065,63.136 119.065,61.465 118.67,61.07 115.97,61.07 111.6,56.7 111.6,45.9 116.3,41.2 162.4,41.2 165,43.8 IC6.3 162.676,45 161.913,44.237 161.913,43.813 161.4,43.3 150,43.3 148,45.3 IC4.3 IC3.3 IC5.3
R1_GND: IC13.3 R7.1
R2_GND: IC13.6 R8.1
R3_GND: IC13.8 R11.1
RESET: P5.6
RESIST+: D2.2 IC6.2 | length 52.7
  Top Layer w0.2: D2.2 114.5,44 116.15,42.35 162.65,42.35 163,42.7 IC6.2
SCL: IC9.10 IC10.10 P8.6 R10.1 | length 20
  Top Layer w0.2: P8.6 118.252,54.5 118.752,54 R10.1 119.825,52.975 121.15,51.65 127.9,51.65 128.6,52.35 IC9.10 129.51,52.8 130.3,53.59 130.3,56.4 129.7,57 IC10.10
SDA: IC9.9 IC10.9 P8.5 R9.1 | length 18.6
  Top Layer w0.2: P8.5 118.06,57.2 R9.1 119.825,56.342 119.942,56.225 119.975,56.225 120.1,56.1 126.76,56.1 127.38,56.72 128.4,55.7 129.3,55.7 129.8,55.2 129.8,53.585 129.515,53.3 IC9.9
  Top Layer w0.4: 127.38,56.72 127.38,57.28 127.6,57.5 IC10.9
VCC: P5.5
VIN: P5.1
VOLT+: IC3.2 R1.2 | length 16.5
  Top Layer w0.2: R1.2 139.925,56.125 140.2,56.4 148.4,56.4 149.217,55.583 149.217,51.067 149.334,50.95 IC3.2
pads on no net: IC1.2 IC1.4 IC1.5 IC7.1 IC7.12 IC9.2 IC9.6 IC9.7 IC10.2 IC11.5 IC11.6 IC11.7 IC12.8 IC12.9 IC12.10 IC12.11 IC12.12 IC12.13 P1.8 P1.9 P1.10 P5.7 P5.8

## Polygon pours and split planes (outlines as drawn)
PROBE+ on Top Layer "GNDP" (solid, remove dead copper, pour order 1): 144.692,100.2 148.1,100.2 152.2,96.1 150.8,94.7 150.8,84.6 147.91,81.71 140.767,82.166 140.637,84.365 141.133,97
CURR+ on Top Layer "GNDP" (solid, pour order 2): 133.3,85.592 135.906,84.79 136.35,82.75 136.8,82.3 138.8,82.3 138.8,85.4 138.5,85.7 137.6,85.7 136.2,87.1 136.2,89.2 133.4,89
A0 on Top Layer "GNDP" (solid, remove dead copper, pour order 0): 132.078,85.023 137.403,96.54 127.8,99.7 122.5,94.4
GND on Bottom Layer "GNDP" (solid, pour order 3): 110,102 175,102 175,37 110,37

## Keep-outs
Keep-Out Layer:
  the board outline again, w0.2

## Silkscreen, mask and mechanical layers (free items; w line width, h text height)
Top Overlay:
  drawing of 3251 lines, arcs and shapes, not listed
  text "MULTIMETER W/ GND PLANE CUTS REV 1.0" at 123.754,99.754 h1
  text "EMIR KAYA" at 134.754,38.754 h1.52
Bottom Overlay:
  drawing of 63 lines, arcs and shapes, not listed
Mechanical 1:
  lines w0.2: 175,102 175,102 ; 175,102 175,37 110,37 110,102 175,102